# Allegro board FMDEMOD-Long.brd (continued)
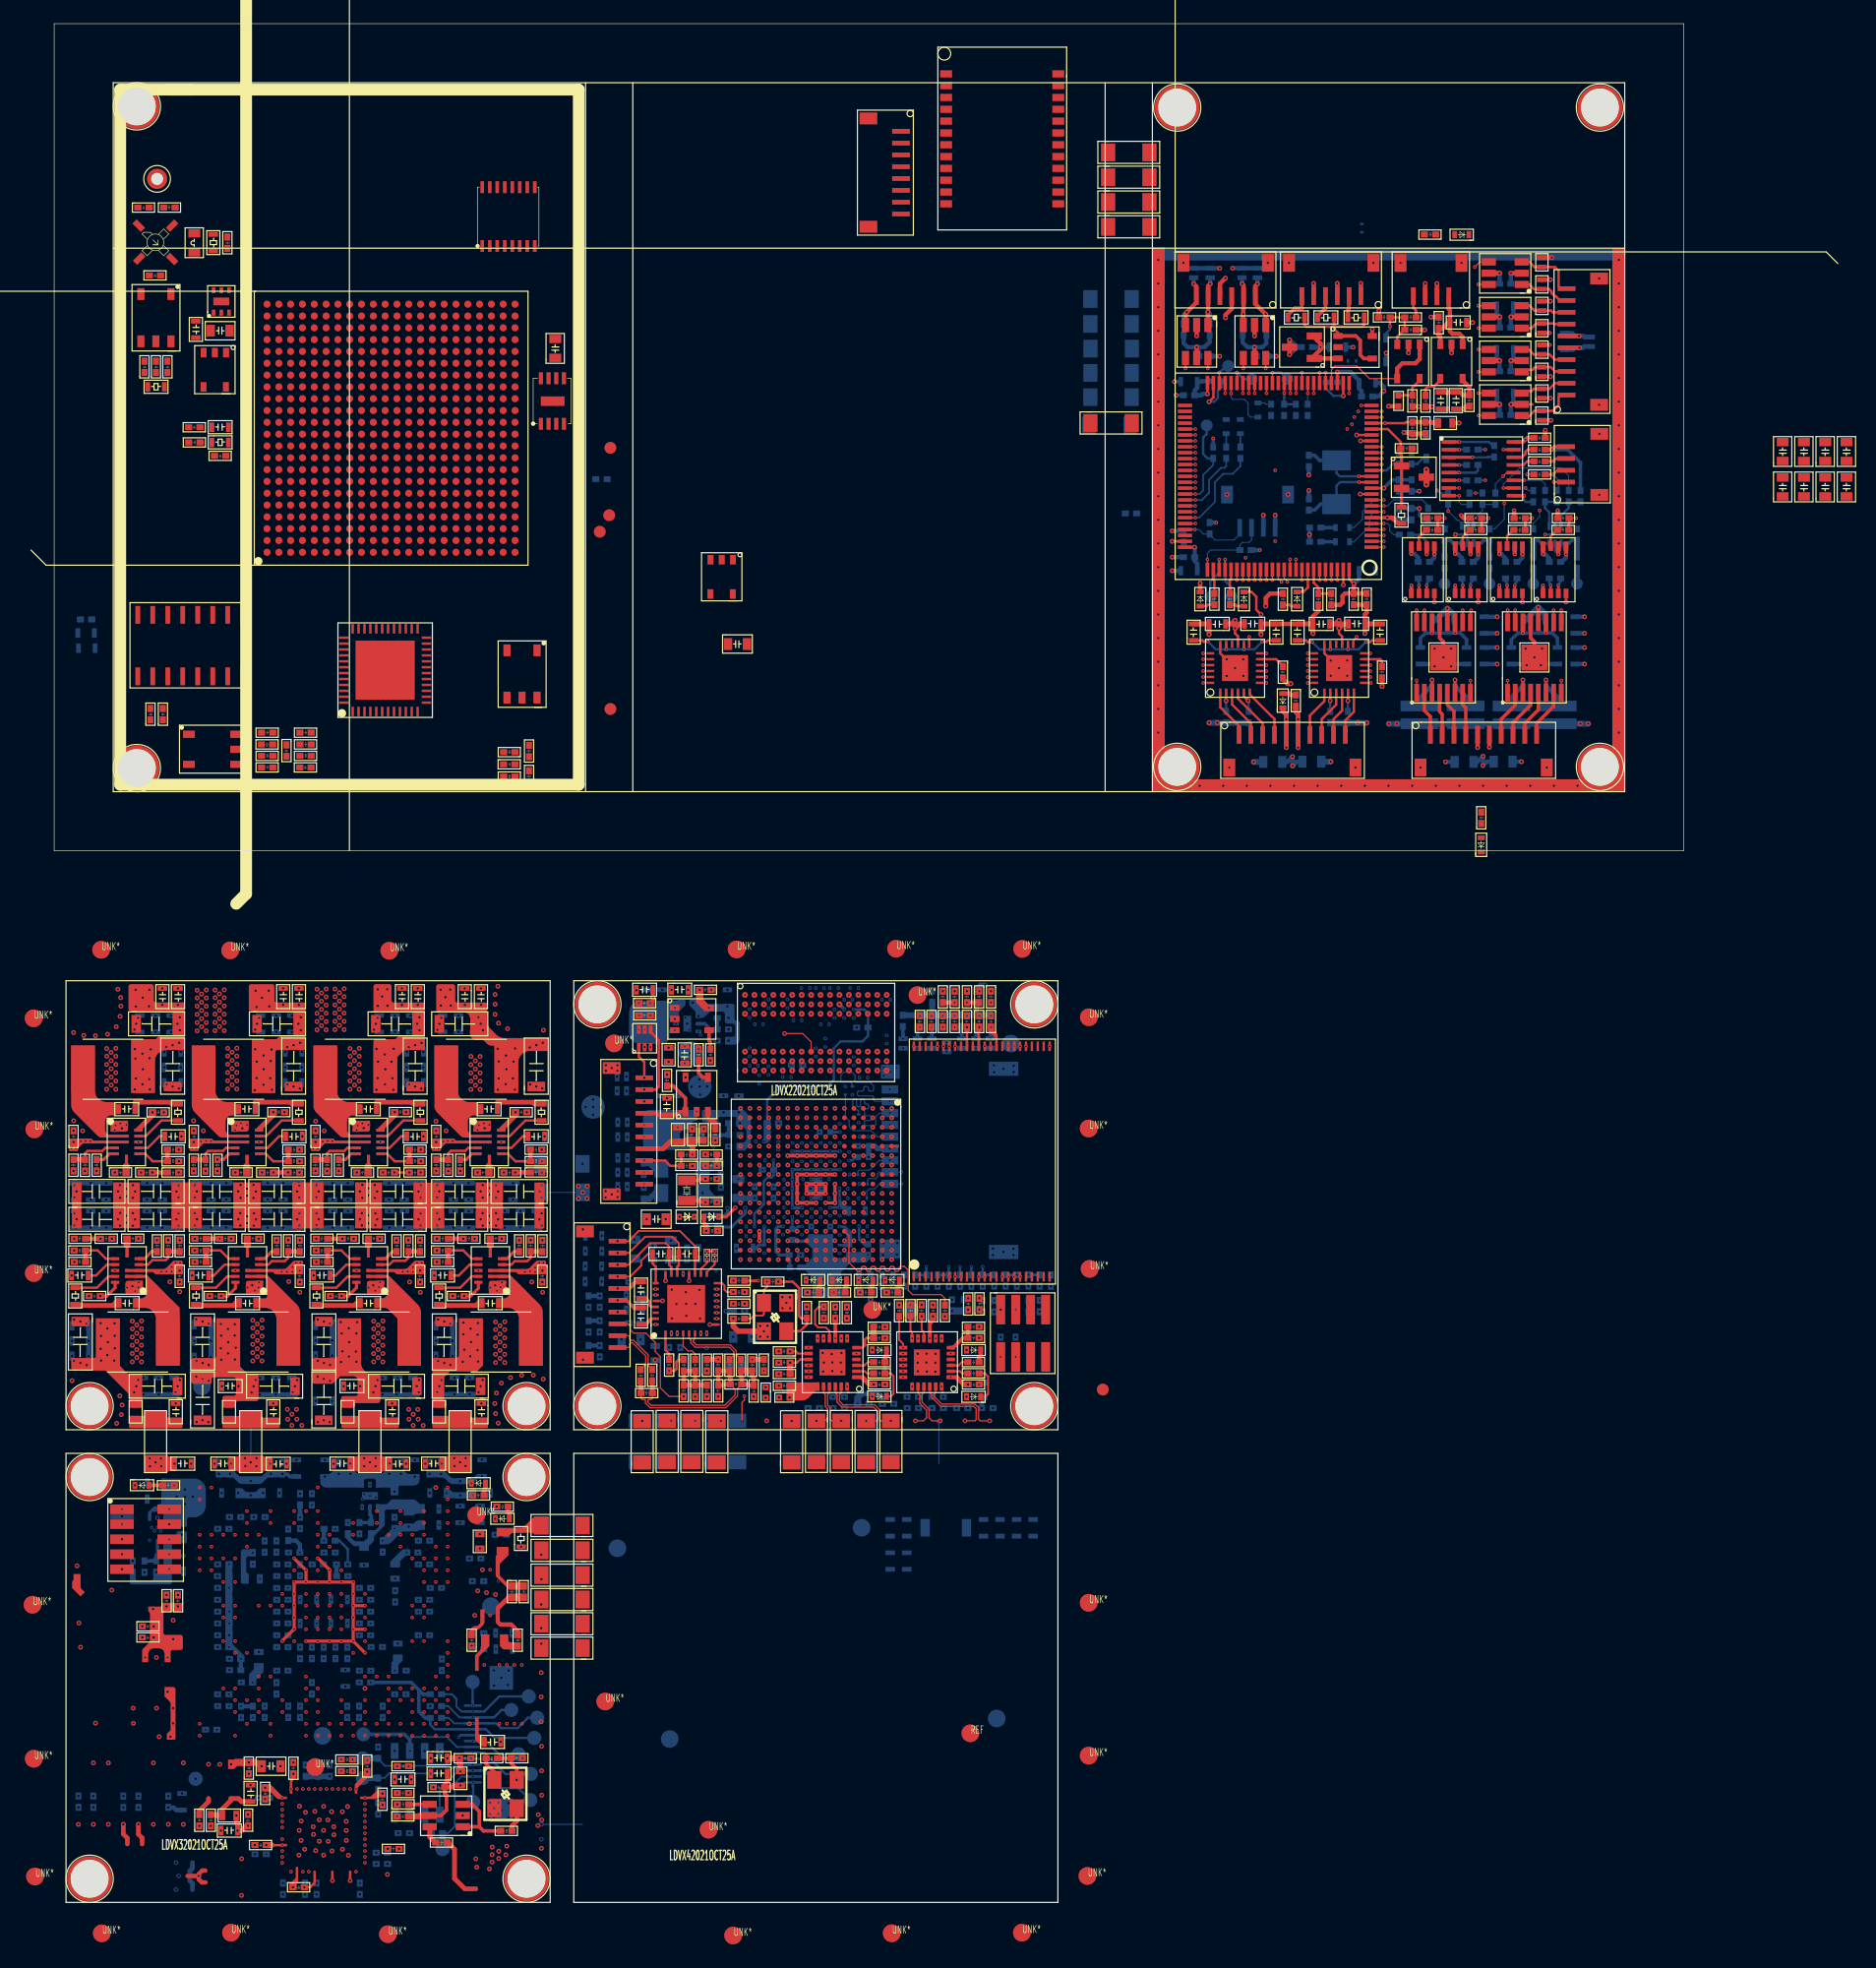
[diagram p0: board, top side]
## Placement (name value [footprint] x y rotation side) (continued)
NOREF#1649  -  []  69.09 -15.35 0 top
NOREF#1650  -  []  59.17 -16.47 90 top
NOREF#1651  -  []  65.8 -28.49 90 top
NOREF#1652  -  []  110.95 51.74 0 top
NOREF#1653  -  []  100.62 11.33 0 top
NOREF#1654  -  []  30.61 -21.33 0 top
NOREF#1655  -  []  19.48 -19.23 0 top
NOREF#1656  -  []  106.18 15.13 90 top
NOREF#1657  -  []  10.74 -27.45 0 top
NOREF#1658  -  []  55.6 -15.79 90 top
NOREF#1659  -  []  40.02 -24.58 90 top
NOREF#1660  -  []  68.47 -40.67 90 top
NOREF#1661  -  []  107.28 12.73 90 top
NOREF#1662  -  []  57.3 -29.59 90 top
NOREF#1663  -  []  115.26 19.98 0 top
NOREF#1664  -  []  1.39 -31.99 90 top
NOREF#1665  -  []  21.23 -27.61 90 top
NOREF#1666  -  []  124.85 32.56 0 top
NOREF#1667  -  []  116.93 21.88 90 top
NOREF#1668  -  []  82.28 -43.22 90 top
NOREF#1669  -  []  12.41 -38.48 90 top
NOREF#1670  -  []  130.98 42.58 90 top
NOREF#1671  -  []  113.46 29.97 0 top
NOREF#1672  -  []  18.25 42.31 90 top
NOREF#1673  -  []  35.44 -35.97 90 top
NOREF#1674  -  []  70.4 -60.1 0 top
NOREF#1675  -  []  53.75 -47.3 0 top
NOREF#1676  -  []  9.9 -33.42 0 top
NOREF#1677  -  []  58.07 -48.26 0 top
NOREF#1678  -  []  54.66 -45.12 90 top
NOREF#1679  -  []  30.95 -56.3 90 top
NOREF#1680  -  []  52.55 -14.24 90 top
NOREF#1681  -  []  13.07 53.08 0 top
NOREF#1682  -  []  0 -90 0 top
NOREF#1683  -  []  32.43 -66.35 0 top
NOREF#1684  -  []  102.07 14.21 90 top
NOREF#1685  -  []  78.58 -12.34 0 top
NOREF#1686  -  []  65.82 -13.75 0 top
NOREF#1687  -  []  17.64 -59.82 90 top
NOREF#1688  -  []  6.62 54.05 0 top
NOREF#1689  -  []  47.57 -18.81 0 top
NOREF#1690  -  []  40.6 -68.39 90 top
NOREF#1691  -  []  53.11 -44.48 90 top
NOREF#1692  -  []  54.7 -30.12 90 top
NOREF#1693  -  []  22.98 -60.78 0 top
NOREF#1694  -  []  77.36 -47.56 90 top
NOREF#1695  -  []  30.12 -51.45 90 top
NOREF#1696  -  []  11.58 -35.53 0 top
NOREF#1697  -  []  5.1 18.03 90 top
NOREF#1698  -  []  10.94 39.38 90 top
NOREF#1699  -  []  49.75 -34.71 90 top
NOREF#1700  -  []  49.98 -31.81 0 top
NOREF#1701  -  []  152.4 28.54 90 top
NOREF#1702  -  []  30.2 -81.87 0 top
NOREF#1703  -  []  56.71 -17.24 90 top
NOREF#1704  -  []  27.05 -83.58 0 top
NOREF#1705  -  []  56.6 -40.33 0 top
NOREF#1706  -  []  14.3 -71.92 90 top
NOREF#1707  -  []  109.47 43.03 0 top
NOREF#1708  -  []  22.61 -38.48 90 top
NOREF#1709  -  []  55.33 -13.27 0 top
NOREF#1710  -  []  69.02 -25.66 0 top
NOREF#1711  -  []  63.06 -30.5 0 top
NOREF#1712  -  []  68.02 -25.72 0 top
NOREF#1713  -  []  110.4 40.81 0 top
NOREF#1714  -  []  35.82 -49.85 0 top
NOREF#1715  -  []  66.72 -26.04 0 top
NOREF#1716  -  []  27.98 -67.78 0 top
NOREF#1717  -  []  105.5 6.91 90 top
NOREF#1718  -  []  24.7 -49.71 0 top
NOREF#1719  -  []  66.72 -24.42 0 top
NOREF#1720  -  []  122.31 17.3 90 top
NOREF#1721  -  []  62.23 -43.51 90 top
NOREF#1722  -  []  5 5 90 top
NOREF#1723  -  []  127.9 18.16 0 top
NOREF#1724  -  []  20.32 -21.33 0 top
NOREF#1725  -  []  11.04 -60.57 0 top
NOREF#1726  -  []  117.39 43.97 90 top
NOREF#1727  -  []  34.48 -26.6 90 top
NOREF#1728  -  []  36.13 -38.69 0 top
NOREF#1729  -  []  1.4 -28.03 0 top
NOREF#1730  -  []  75.48 -47.56 0 top
NOREF#1731  -  []  61.78 -33.82 0 top
NOREF#1732  -  []  21.87 -35.53 0 top
NOREF#1733  -  []  8.99 -15.44 90 top
NOREF#1734  -  []  8.27 -31.2 0 top
NOREF#1735  -  []  13.38 -58.56 0 top
NOREF#1736  -  []  78.84 -37.96 90 top
NOREF#1737  -  []  7.82 39.67 0 top
NOREF#1738  -  []  5.73 -26.6 90 top
NOREF#1739  -  []  67.39 -30.09 90 top
NOREF#1740  -  []  22.52 -51.45 90 top
NOREF#1741  -  []  104.9 32.97 0 top
NOREF#1742  -  []  28.03 -85.27 90 top
NOREF#1743  -  []  15.22 -80.54 90 top
NOREF#1744  -  []  8.03 9.02 0 top
NOREF#1745  -  []  11.65 -63.45 90 top
NOREF#1746  -  []  40.72 -35.03 90 top
NOREF#1747  -  []  115.05 21.88 0 top
NOREF#1748  -  []  54.76 -32.55 0 top
NOREF#1749  -  []  8.23 -33.36 90 top
NOREF#1750  -  []  32.6 -26.6 0 top
NOREF#1751  -  []  34.78 -46.1 0 top
NOREF#1752  -  []  75.75 -47.39 90 top
NOREF#1753  -  []  59.21 -18.46 90 top
NOREF#1754  -  []  75.51 -12.34 0 top
NOREF#1755  -  []  9.91 -82.06 0 top
NOREF#1756  -  []  21.13 -13.15 90 top
NOREF#1757  -  []  21.07 -16.62 0 top
NOREF#1758  -  []  10.09 -51.47 0 top
NOREF#1759  -  []  19.72 -14.63 0 top
NOREF#1760  -  []  105.18 43.94 90 top
NOREF#1761  -  []  31.36 -16.62 0 top
NOREF#1762  -  []  121.94 37.27 90 top
NOREF#1763  -  []  102.5 11.33 90 top
NOREF#1764  -  []  17.04 -34 90 top
NOREF#1765  -  []  69.38 -40.05 0 top
NOREF#1766  -  []  120.2 23.59 90 top
NOREF#1767  -  []  52.43 -18.06 90 top
NOREF#1768  -  []  40.41 -31.99 90 top
NOREF#1769  -  []  27.53 -63.89 90 top
NOREF#1770  -  []  77.76 -16.8 0 top
NOREF#1771  -  []  118.44 30.46 90 top
NOREF#1772  -  []  115.98 27.69 90 top
NOREF#1773  -  []  3.56 17.55 0 top
NOREF#1774  -  []  147 31.54 0 top
NOREF#1775  -  []  61.46 -32.11 0 top
NOREF#1776  -  []  110.4 23.29 0 top
NOREF#1777  -  []  70.77 -21.2 90 top
NOREF#1778  -  []  32.97 -20.04 90 top
NOREF#1779  -  []  38.23 -64.28 0 top
NOREF#1780  -  []  115.18 27.57 0 top
NOREF#1781  -  []  50.9 -44.36 0 top
NOREF#1782  -  []  11.41 9.86 0 top
NOREF#1783  -  []  20.26 -70.56 90 top
NOREF#1784  -  []  66.81 -14.92 90 top
NOREF#1785  -  []  70.81 -41.62 90 top
NOREF#1786  -  []  111.16 30.1 90 top
NOREF#1787  -  []  22.7 -31.23 90 top
NOREF#1788  -  []  63.52 -27.59 0 top
NOREF#1789  -  []  6.56 -27.61 90 top
NOREF#1790  -  []  32.77 -13.83 0 top
NOREF#1791  -  []  27.12 -13.84 0 top
NOREF#1792  -  []  7 -32.01 0 top
NOREF#1793  -  []  44.95 -42.9 90 top
NOREF#1794  -  []  21.73 -65.8 0 top
NOREF#1795  -  []  15.15 45.51 0 top
NOREF#1796  -  []  9.23 -19.23 0 top
NOREF#1797  -  []  8.44 -42.92 0 top
NOREF#1798  -  []  55.68 -15.33 0 top
NOREF#1799  -  []  9.28 -24.58 0 top
NOREF#1800  -  []  12.22 -54.87 90 top
NOREF#1801  -  []  31.35 -29.63 90 top
NOREF#1802  -  []  28.68 -44.52 90 top
NOREF#1803  -  []  77.55 -12.34 0 top
NOREF#1804  -  []  85.8 -3.7 0 top
NOREF#1805  -  []  124.68 49.03 0 top
NOREF#1806  -  []  59.32 -45.69 90 top
NOREF#1807  -  []  48.35 -39.27 90 top
NOREF#1808  -  []  104.89 17.7 90 top
NOREF#1809  -  []  112.68 32.27 0 top
NOREF#1810  -  []  33.78 -46.68 90 top
NOREF#1811  -  []  119.82 35.39 0 top
NOREF#1812  -  []  113.26 42.65 0 top
NOREF#1813  -  []  9.57 -31.23 90 top
NOREF#1814  -  []  56.13 -34.19 0 top
NOREF#1815  -  []  48.5 -34.71 90 top
NOREF#1816  -  []  147 28.54 0 top
NOREF#1817  -  []  14.61 -83.62 90 top
NOREF#1818  -  []  31.2 -13.15 90 top
NOREF#1819  -  []  84.8 -38.51 90 top
NOREF#1820  -  []  11.49 -46.68 90 top
NOREF#1821  -  []  112.68 32.27 90 top
NOREF#1822  -  []  23.85 -77.3 0 top
NOREF#1823  -  []  119.29 35.3 0 top
NOREF#1824  -  []  60.16 -18.01 90 top
NOREF#1825  -  []  126.86 32.55 0 top
NOREF#1826  -  []  30.39 -13.15 0 top
NOREF#1827  -  []  45.41 31.06 0 top
NOREF#1828  -  []  78.88 -37.96 0 top
NOREF#1829  -  []  38.35 12.96 0 top
NOREF#1830  -  []  63.52 -26.04 0 top
NOREF#1831  -  []  25.39 -68.21 0 top
NOREF#1832  -  []  61.3 -24.82 90 top
NOREF#1833  -  []  18.98 -32 0 top
NOREF#1834  -  []  64.35 -24.55 0 top
NOREF#1835  -  []  29.79 -17.04 0 top
NOREF#1836  -  []  17.26 -70.77 90 top
NOREF#1837  -  []  54.62 -24.96 90 top
NOREF#1838  -  []  10.06 -31.23 0 top
NOREF#1839  -  []  67.07 -28.99 90 top
NOREF#1840  -  []  114.41 22.32 90 top
NOREF#1841  -  []  52.99 -16.47 0 top
NOREF#1842  -  []  55.84 -46.65 0 top
NOREF#1843  -  []  78.94 -15.39 0 top
NOREF#1844  -  []  21.95 -33.42 90 top
NOREF#1845  -  []  49.77 -13.27 90 top
NOREF#1846  -  []  77.39 -12.34 90 top
NOREF#1847  -  []  26.81 -85.19 90 top
NOREF#1848  -  []  76.91 -43.66 0 top
NOREF#1849  -  []  95.17 38.16 0 top
NOREF#1850  -  []  61.97 -17.77 0 top
NOREF#1851  -  []  119.2 27.51 0 top
NOREF#1852  -  []  58.93 -37.73 90 top
NOREF#1853  -  []  20.57 5.88 90 top
NOREF#1854  -  []  65.56 -37.77 0 top
NOREF#1855  -  []  40.81 -35.03 0 top
NOREF#1856  -  []  66.18 -27.59 90 top
NOREF#1857  -  []  73.4 -58.1 90 top
NOREF#1858  -  []  54.7 -27.06 90 top
NOREF#1859  -  []  48.63 -24.53 90 top
NOREF#1860  -  []  8.18 -13.84 0 top
NOREF#1861  -  []  52.63 -26.1 0 top
NOREF#1862  -  []  33.35 -65.82 0 top
NOREF#1863  -  []  52.78 -45.12 0 top
NOREF#1864  -  []  121.5 21.5 0 top
NOREF#1865  -  []  81.56 -47.56 90 top
NOREF#1866  -  []  54.2 -43.51 90 top
NOREF#1867  -  []  58.12 -24 90 top
NOREF#1868  -  []  37.59 6.93 0 top
NOREF#1869  -  []  56.59 -13.27 90 top
NOREF#1870  -  []  58.08 27.98 0 top
NOREF#1871  -  []  20.97 -27.45 0 top
NOREF#1872  -  []  36.03 -21.46 0 top
NOREF#1873  -  []  27.26 -71.56 90 top
NOREF#1874  -  []  23.07 -69.46 0 top
NOREF#1875  -  []  126.16 18.36 90 top
NOREF#1876  -  []  20.27 -32 90 top
NOREF#1877  -  []  15.43 -31.98 90 top
NOREF#1878  -  []  78.23 -46.42 0 top
NOREF#1879  -  []  105.14 41.45 0 top
NOREF#1880  -  []  121.02 38.77 90 top
NOREF#1881  -  []  53.22 -24.82 90 top
NOREF#1882  -  []  98.49 18 90 top
NOREF#1883  -  []  62.09 -31.23 90 top
NOREF#1884  -  []  108.57 47.27 0 top
NOREF#1885  -  []  41.08 7.18 90 top
NOREF#1886  -  []  11.29 -25.76 0 top
NOREF#1887  -  []  63.68 -29.63 90 top
NOREF#1888  -  []  69.5 -24 90 top
NOREF#1889  -  []  18.41 -84.53 90 top
NOREF#1890  -  []  76.3 -14.38 0 top
NOREF#1891  -  []  52.79 -33.72 0 top
NOREF#1892  -  []  114.49 14.1 0 top
NOREF#1893  -  []  28.86 -63.78 90 top
NOREF#1894  -  []  19.51 -24.58 90 top
NOREF#1895  -  []  56.59 -13.27 0 top
NOREF#1896  -  []  72.81 -16.81 0 top
NOREF#1897  -  []  65.21 -37.77 90 top
NOREF#1898  -  []  71.77 -45.83 0 top
NOREF#1899  -  []  105.1 33.7 90 top
NOREF#1900  -  []  17.86 -56.78 90 top
NOREF#1901  -  []  64.58 -27.59 90 top
NOREF#1902  -  []  11.59 46.52 0 top
NOREF#1903  -  []  24.25 -26.6 90 top
NOREF#1904  -  []  37.15 -28.03 0 top
NOREF#1905  -  []  59.72 -29.84 90 top
NOREF#1906  -  []  111.89 19.3 0 top
NOREF#1907  -  []  17.83 -79.21 90 top
NOREF#1908  -  []  19.29 -72.85 0 top
NOREF#1909  -  []  8.03 9.02 90 top
NOREF#1910  -  []  29.75 -19.8 90 top
NOREF#1911  -  []  126.28 35.73 0 top
NOREF#1912  -  []  30.54 -28.8 0 top
NOREF#1913  -  []  116.73 27.62 90 top
NOREF#1914  -  []  27.42 -34 90 top
NOREF#1915  -  []  12.3 53.27 90 top
NOREF#1916  -  []  63.68 -30.43 90 top
NOREF#1917  -  []  3.02 -40.61 90 top
NOREF#1918  -  []  13.32 -34.22 90 top
NOREF#1919  -  []  71.02 -6.38 0 top
NOREF#1920  -  []  34.28 -56.1 90 top
NOREF#1921  -  []  11.79 -66.78 90 top
NOREF#1922  -  []  34.22 -29.62 90 top
NOREF#1923  -  []  104.44 18.75 90 top
NOREF#1924  -  []  103.2 49.4 90 top
NOREF#1925  -  []  69.5 -18.99 90 top
NOREF#1926  -  []  29.62 -27.61 0 top
NOREF#1927  -  []  66.75 -11.8 0 top
NOREF#1928  -  []  40.02 -19.8 90 top
NOREF#1929  -  []  7.59 48.3 0 top
NOREF#1930  -  []  22.17 -54.87 90 top
NOREF#1931  -  []  3.36 19.19 0 top
NOREF#1932  -  []  71.8 -60.1 0 top
NOREF#1933  -  []  54.7 -28.16 90 top
NOREF#1934  -  []  10.24 -36.96 90 top
NOREF#1935  -  []  40.46 6.31 0 top
NOREF#1936  -  []  5.16 16.74 90 top
NOREF#1937  -  []  29.38 -59.78 90 top
NOREF#1938  -  []  63.78 -27.59 90 top
NOREF#1939  -  []  77.01 -37.42 0 top
NOREF#1940  -  []  62.62 -29.63 0 top
NOREF#1941  -  []  59.17 -15.5 90 top
NOREF#1942  -  []  97.8 49.4 90 top
NOREF#1943  -  []  95.85 38.58 90 top
NOREF#1944  -  []  95.3 39.3 90 top
NOREF#1945  -  []  67.21 -12.86 90 top
NOREF#1946  -  []  101.38 32.11 90 top
NOREF#1947  -  []  66.29 -32.19 0 top
NOREF#1948  -  []  11.6 -38.48 0 top
NOREF#1949  -  []  29.86 -67.78 90 top
NOREF#1950  -  []  99.16 20.36 0 top
NOREF#1951  -  []  40.11 -64.28 90 top
NOREF#1952  -  []  55.03 -31.4 90 top
NOREF#1953  -  []  14.41 -62.02 90 top
NOREF#1954  -  []  45.64 -39.09 90 top
NOREF#1955  -  []  18.18 -52.29 0 top
NOREF#1956  -  []  40.02 -19.8 90 top
NOREF#1957  -  []  35.47 -77.97 0 top
NOREF#1958  -  []  54.51 -26.1 90 top
NOREF#1959  -  []  1.24 -23.24 0 top
NOREF#1960  -  []  14.52 -67.99 0 top
NOREF#1961  -  []  123.3 9.5 0 top
NOREF#1962  -  []  22.95 -69.46 90 top
NOREF#1963  -  []  65.07 -17.78 90 top
NOREF#1964  -  []  19.71 -42.92 0 top
NOREF#1965  -  []  25.22 -35.97 90 top
NOREF#1966  -  []  35.17 -38.07 90 top
NOREF#1967  -  []  26.81 -85.19 0 top
NOREF#1968  -  []  118.56 26.35 0 top
NOREF#1969  -  []  8.76 -31.23 0 top
NOREF#1970  -  []  76.91 -41.62 0 top
NOREF#1971  -  []  14.94 -84.54 0 top
NOREF#1972  -  []  68.32 -23.62 0 top
NOREF#1973  -  []  8.1 -46.68 90 top
NOREF#1974  -  []  71.26 -37.96 90 top
NOREF#1975  -  []  31.65 -79.64 0 top
NOREF#1976  -  []  34.72 -28.21 90 top
NOREF#1977  -  []  123.3 9.5 90 top
NOREF#1978  -  []  82.75 -40.12 0 top
NOREF#1979  -  []  25.74 -31.98 90 top
NOREF#1980  -  []  62.72 -27.59 0 top
NOREF#1981  -  []  30.34 -35.03 90 top
NOREF#1982  -  []  23.65 -43.19 90 top
NOREF#1983  -  []  103.62 37.33 0 top
NOREF#1984  -  []  9.13 -25.68 0 top
NOREF#1985  -  []  6.89 -27.61 0 top
NOREF#1986  -  []  29.27 -27.61 90 top
NOREF#1987  -  []  21.09 -29.63 90 top
NOREF#1988  -  []  12.88 -31.99 0 top
NOREF#1989  -  []  29.86 -13.15 90 top
NOREF#1990  -  []  108.87 39.26 0 top
NOREF#1991  -  []  16 -46.68 90 top
NOREF#1992  -  []  127.83 29.5 0 top
NOREF#1993  -  []  61.18 24.78 90 top
NOREF#1994  -  []  14.67 52.27 90 top
NOREF#1995  -  []  57.22 -22.66 90 top
NOREF#1996  -  []  12.07 -39.03 90 top
NOREF#1997  -  []  37.38 -46.68 90 top
NOREF#1998  -  []  67.58 -34.25 90 top
NOREF#1999  -  []  16.65 -59.82 0 top
NOREF#2000  -  []  20.29 -54.87 0 top
NOREF#2001  -  []  20.44 -43.14 90 top
NOREF#2002  -  []  12.03 -81.28 90 top
NOREF#2003  -  []  64.12 -30.7 0 top
NOREF#2004  -  []  7 -66.03 0 top
NOREF#2005  -  []  28.47 -61.8 90 top
NOREF#2006  -  []  16.26 -69.56 90 top
NOREF#2007  -  []  11.75 -48.05 90 top
NOREF#2008  -  []  17.04 -46.12 0 top
NOREF#2009  -  []  56.15 -44.79 0 top
NOREF#2010  -  []  52.29 -20.63 90 top
NOREF#2011  -  []  13.37 -41.89 90 top
NOREF#2012  -  []  28.41 -86.13 0 top
NOREF#2013  -  []  114.81 21.2 90 top
NOREF#2014  -  []  99.16 20.36 90 top
NOREF#2015  -  []  11.76 -83.62 0 top
NOREF#2016  -  []  29.38 -59.78 0 top
NOREF#2017  -  []  122.2 1.21 90 top
NOREF#2018  -  []  25.48 -51.59 90 top
NOREF#2019  -  []  124.68 50.3 90 top
NOREF#2020  -  []  52.32 -43.51 0 top
NOREF#2021  -  []  7.99 -82.06 90 top
NOREF#2022  -  []  22.37 -59.55 0 top
NOREF#2023  -  []  72.41 -41.62 90 top
NOREF#2024  -  []  104.14 50.4 90 top
NOREF#2025  -  []  21.83 -90.38 0 top
NOREF#2026  -  []  66.98 -32.37 0 top
NOREF#2027  -  []  4.37 -38.07 90 top
NOREF#2028  -  []  62.62 -28.06 0 top
NOREF#2029  -  []  125.51 22.32 90 top
NOREF#2030  -  []  100.12 44.13 0 top
NOREF#2031  -  []  14.4 -45.88 0 top
NOREF#2032  -  []  23.95 -69.46 90 top
NOREF#2033  -  []  22.95 -78.79 0 top
NOREF#2034  -  []  16.77 -27.61 90 top
NOREF#2035  -  []  33.11 -27.45 90 top
NOREF#2036  -  []  9.88 43.12 90 top
NOREF#2037  -  []  25.86 -59.78 90 top
NOREF#2038  -  []  50.17 -30.56 0 top
NOREF#2039  -  []  124.33 21.88 90 top
NOREF#2040  -  []  25.82 -38.69 0 top
NOREF#2041  -  []  9.13 -27.61 0 top
NOREF#2042  -  []  17.05 -52.34 0 top
NOREF#2043  -  []  148.8 31.54 90 top
NOREF#2044  -  []  51.01 -45.97 90 top
NOREF#2045  -  []  65.28 -29.63 90 top
NOREF#2046  -  []  54.76 -30.5 0 top
NOREF#2047  -  []  45.66 -42.33 0 top
NOREF#2048  -  []  116.52 37.12 90 top
NOREF#2049  -  []  18.98 -28.02 90 top
NOREF#2050  -  []  68.93 -43.66 90 top
NOREF#2051  -  []  95.17 24.46 0 top
NOREF#2052  -  []  32.12 -56.26 0 top
NOREF#2053  -  []  10.24 -36.96 0 top
NOREF#2054  -  []  128.07 38.57 90 top
NOREF#2055  -  []  67.55 -25.38 90 top
NOREF#2056  -  []  121.94 41.75 0 top
NOREF#2057  -  []  32.97 -18.73 90 top
NOREF#2058  -  []  10.29 -15.43 90 top
NOREF#2059  -  []  64.12 -32.11 90 top
NOREF#2060  -  []  33.86 -60.78 90 top
NOREF#2061  -  []  25.39 -68.99 90 top
NOREF#2062  -  []  7.89 -62.16 0 top
NOREF#2063  -  []  33.41 -28.02 0 top
NOREF#2064  -  []  25.13 -58.91 0 top
NOREF#2065  -  []  148.8 31.54 0 top
NOREF#2066  -  []  102.2 50 0 top
NOREF#2067  -  []  29.97 -44.52 90 top
NOREF#2068  -  []  78.79 -40.68 90 top
NOREF#2069  -  []  70.97 -15.35 90 top
NOREF#2070  -  []  66.59 -40.67 0 top
NOREF#2071  -  []  23.17 -54.87 90 top
NOREF#2072  -  []  21.89 -30.4 90 top
NOREF#2073  -  []  68.93 -45.56 0 top
NOREF#2074  -  []  124.56 25.91 90 top
NOREF#2075  -  []  79.86 -40.12 0 top
NOREF#2076  -  []  119.82 34.61 90 top
NOREF#2077  -  []  3.41 -80.46 90 top
NOREF#2078  -  []  28.6 -77.86 0 top
NOREF#2079  -  []  109.5 19.61 0 top
NOREF#2080  -  []  15.73 -79.8 0 top
NOREF#2081  -  []  22.15 -35.03 90 top
NOREF#2082  -  []  20.32 -22.93 90 top
NOREF#2083  -  []  36.54 -13.15 90 top
NOREF#2084  -  []  111.07 42.22 90 top
NOREF#2085  -  []  116.4 23.59 90 top
NOREF#2086  -  []  70.81 -43.66 90 top
NOREF#2087  -  []  12.73 -83.62 0 top
NOREF#2088  -  []  53.56 -45.69 0 top
NOREF#2089  -  []  70.53 -41.62 0 top
NOREF#2090  -  []  99.5 32.11 0 top
NOREF#2091  -  []  10.34 -54.87 0 top
NOREF#2092  -  []  118.11 22.32 0 top
NOREF#2093  -  []  125.51 22.32 0 top
NOREF#2094  -  []  78.3 -57.29 0 top
NOREF#2095  -  []  72 -60.91 90 top
NOREF#2096  -  []  66.75 -32.69 90 top
NOREF#2097  -  []  120.2 36.6 90 top
NOREF#2098  -  []  27.39 -27.61 0 top
NOREF#2099  -  []  32.02 -55.8 90 top
NOREF#2100  -  []  28.86 -62.78 90 top
NOREF#2101  -  []  50.5 -41.71 0 top
NOREF#2102  -  []  23.95 -72.47 90 top
NOREF#2103  -  []  74.03 -37.98 0 top
NOREF#2104  -  []  49.13 -45.97 0 top
NOREF#2105  -  []  58.48 -44.87 0 top
NOREF#2106  -  []  29.97 -42.92 0 top
NOREF#2107  -  []  120.2 24.37 0 top
NOREF#2108  -  []  110.75 39.26 90 top
NOREF#2109  -  []  126.28 37.6 0 top
NOREF#2110  -  []  27.99 -49.71 0 top
NOREF#2111  -  []  17.29 -72.85 0 top
NOREF#2112  -  []  8.44 -44.52 90 top
NOREF#2113  -  []  147 28.54 90 top
NOREF#2114  -  []  11.78 -43.19 90 top
NOREF#2115  -  []  22.52 -49.85 0 top
NOREF#2116  -  []  17.23 -32.01 0 top
NOREF#2117  -  []  25.82 -38.69 90 top
NOREF#2118  -  []  107.02 41.45 90 top
NOREF#2119  -  []  103.66 31.69 90 top
NOREF#2120  -  []  62.25 -35.01 0 top
NOREF#2121  -  []  15.57 -38.69 90 top
NOREF#2122  -  []  55.33 -13.27 90 top
NOREF#2123  -  []  39.84 -77.97 0 top
NOREF#2124  -  []  51.98 -31.81 90 top
NOREF#2125  -  []  11.98 -35.03 90 top
NOREF#2126  -  []  97.32 44.13 0 top
NOREF#2127  -  []  22.92 -38.07 0 top
NOREF#2128  -  []  70.81 -40.68 90 top
NOREF#2129  -  []  18.69 6.86 0 top
NOREF#2130  -  []  18.68 -15.44 90 top
NOREF#2131  -  []  124.68 47.21 0 top
NOREF#2132  -  []  2.78 -80.46 0 top
NOREF#2133  -  []  60.93 -33.68 90 top
R1  47K  [R0402]  75.01 -11.88 270 top
R2  DNP  [R0402]  76.01 -11.88 270 top
R3  47K  [R0402]  77.05 -11.88 270 top
R4  DNP  [R0402]  78.08 -11.88 270 top
R5  47K  [R0402]  79.08 -11.88 270 top
R6  47K  [R0402]  73.06 -13.96 270 top
R7  47K  [R0402]  74.04 -13.96 270 top
R8  47K  [R0402]  75.01 -13.96 270 top
R9  47K  [R0402]  76.01 -13.96 270 top
R10  10K  [R0402]  54.33 -16.77 270 top
R11  DNP  [R0402]  51.64 -18.94 270 top
R12  0  [R0603]  10.89 -22.93 90 top
R13  0  [R0603]  21.13 -22.93 90 top
R14  0  [R0603]  31.42 -22.93 90 top
R15  0  [R0603]  41.68 -22.93 90 top
R16  6.8K  [R0402]  55.74 -23.53 270 top
R17  294K  [R0402]  9.58 -25.54 0 top
R18  182K  [R0402]  19.81 -25.54 0 top
R19  51.1K  [R0402]  30.07 -25.54 0 top
R20  51.1K  [R0402]  40.32 -25.54 0 top
R21  10K  [R0402]  56.13 -25.45 180 top
R22  10K  [R0402]  53.08 -25.96 0 top
R23  40.2K  [R0402]  10.57 -26.03 180 top
R24  40.2K  [R0402]  20.8 -26.03 180 top
R25  40.2K  [R0402]  31.06 -26.03 180 top
R26  40.2K  [R0402]  41.31 -26.03 180 top
R27  DNP  [R0402]  1.38 -26.13 270 top
R28  787K  [R0402]  2.86 -27.12 90 top
R29  100K  [R0402]  3.35 -26.13 270 top
R30  DNP  [R0402]  11.57 -26.13 270 top
R31  499K  [R0402]  13.07 -27.12 90 top
R32  100K  [R0402]  13.58 -26.13 270 top
R33  DNP  [R0402]  21.88 -26.13 270 top
R34  180K  [R0402]  23.36 -27.12 90 top
R35  100K  [R0402]  23.86 -26.13 270 top
R36  DNP  [R0402]  32.1 -26.13 270 top
R37  180K  [R0402]  33.62 -27.12 90 top
R38  100K  [R0402]  34.13 -26.13 270 top
R39  100K  [R0402]  54.06 -26.42 180 top
R40  DNP  [R0402]  7.34 -27.47 0 top
R41  100K  [R0402]  9.58 -27.47 0 top
R42  DNP  [R0402]  17.59 -27.47 0 top
R43  100K  [R0402]  19.8 -27.47 0 top
R44  DNP  [R0402]  27.84 -27.47 0 top
R45  DNP  [R0402]  30.07 -27.47 0 top
R46  DNP  [R0402]  38.07 -27.47 0 top
R47  DNP  [R0402]  40.32 -27.47 0 top
R48  1.5K  [R0402]  55.21 -32.41 0 top
R49  100K  [R0402]  2.67 -32.58 180 top
R50  DNP  [R0402]  4.9 -32.58 180 top
R51  100K  [R0402]  12.88 -32.58 180 top
R52  DNP  [R0402]  14.99 -32.58 180 top
R53  100K  [R0402]  23.17 -32.58 180 top
R54  DNP  [R0402]  25.37 -32.58 180 top
R55  100K  [R0402]  33.39 -32.58 180 top
R56  DNP  [R0402]  35.61 -32.58 180 top
R57  100K  [R0402]  8.95 -33.94 90 top
R58  787K  [R0402]  9.4 -32.94 270 top
R59  DNP  [R0402]  10.88 -33.94 90 top
R60  100K  [R0402]  19.09 -33.94 90 top
R61  499K  [R0402]  19.57 -32.94 270 top
R62  DNP  [R0402]  21.05 -33.94 90 top
R63  100K  [R0402]  29.25 -33.94 90 top
R64  180K  [R0402]  29.74 -32.94 270 top
R65  DNP  [R0402]  31.24 -33.94 90 top
R66  100K  [R0402]  39.62 -33.94 90 top
R67  180K  [R0402]  40.1 -32.94 270 top
R68  DNP  [R0402]  41.59 -33.94 90 top
R69  40.2K  [R0402]  1.68 -34.08 0 top
R70  40.2K  [R0402]  11.89 -34.08 0 top
R71  40.2K  [R0402]  22.18 -34.08 0 top
R72  40.2K  [R0402]  32.4 -34.08 0 top
R73  4.7K  [R0201]  55.13 -33.93 270 top
R74  4.7K  [R0201]  55.78 -33.93 270 top
R75  294K  [R0402]  2.67 -34.55 180 top
R76  182K  [R0402]  12.88 -34.55 180 top
R77  127K  [R0402]  23.17 -34.55 180 top
R78  40.2K  [R0402]  33.39 -34.55 180 top
R79  10K  [R0402]  58.49 -36.13 180 top
R80  1M  [R0402]  61.34 -36.22 180 top
R81  10K  [R0402]  57.5 -37.59 0 top
R82  1K  [R0402]  63.78 -37.63 0 top
R83  1K  [R0402]  66.01 -37.63 0 top
R84  1K  [R0402]  68.24 -37.63 0 top
R85  1K  [R0402]  70.48 -37.63 0 top
R86  0  [R0603]  1.38 -36.88 270 top
R87  0  [R0603]  11.6 -36.88 270 top
R88  0  [R0603]  21.8 -36.88 270 top
R89  0  [R0603]  32.19 -36.88 270 top
R90  100K  [R0402]  57.5 -38.58 0 top
R91  1K  [R0402]  71.8 -39.41 90 top
R92  1K  [R0402]  72.77 -39.41 90 top
R93  DNP  [R0402]  73.21 -38.42 270 top
R94  33  [R0402]  75.68 -39.41 90 top
R95  10K  [R0402]  64.93 -38.59 270 top
R96  33  [R0402]  67.37 -39.58 90 top
R97  1K  [R0402]  62.33 -42.12 180 top
R98  1K  [R0402]  69.38 -43.52 0 top
R99  1K  [R0402]  77.36 -43.52 0 top
R100  1K  [R0402]  62.33 -43.07 180 top
R101  DNP  [R0402]  51.82 -43.04 270 top
R102  2.2K  [R0402]  53.56 -44.03 90 top
R103  1.5K  [R0402]  55.52 -44.03 90 top
R104  1.5K  [R0402]  55.98 -43.04 270 top
R105  1.5K  [R0402]  59.36 -44.03 90 top
R106  1K  [R0402]  59.85 -43.04 270 top
R107  1K  [R0402]  69.38 -44.47 0 top
R108  1K  [R0402]  77.36 -44.47 0 top
R109  15k  [R0402]  49.91 -44.88 90 top
R110  15k  [R0402]  50.4 -43.89 270 top
R111  100  [R0402]  53.06 -45.22 270 top
R112  DNP  [R0402]  54.53 -46.21 90 top
R113  1.5K  [R0402]  50.67 -45.65 180 top
R114  DNP  [R1206]  50.6 -51.61 90 top
R115  0  [R1206]  51.1 -48.39 270 top
R116  0  [R1206]  53.19 -48.39 270 top
R117  0  [R1206]  56.92 -51.61 90 top
R119  0  [R1206]  87.9 35.4 0 top
R120  DNP  [R1206]  63.25 -51.61 90 top
R121  33  [R1206]  63.75 -48.39 270 top
R122  33  [R1206]  65.85 -48.39 270 top
R123  33  [R1206]  67.95 -48.39 270 top
R124  33  [R1206]  70.05 -48.39 270 top
R125  33  [R1206]  89.4 52 0 top
R126  33  [R1206]  89.4 54.1 0 top
R127  33  [R1206]  89.4 56.2 0 top
R128  33  [R1206]  89.4 58.3 0 top
R129  0  [R1206]  7.78 -48.4 270 top
R130  0  [R1206]  15.84 -48.4 270 top
R131  0  [R1206]  25.93 -48.4 270 top
R132  0  [R1206]  33.57 -48.4 270 top
R133  1K  [R0402]  10.17 -53.45 180 top
R134  0  [R0402]  104.4 37.8 270 bottom
R135  DNP  [R0402]  105.4 37.8 270 bottom
R136  1K  [R0402]  35.44 -54.8 0 top
R137  1K  [R0402]  37.46 -55.76 0 top
R138  DNP  [R1206]  44.6 -56.3 180 top
R139  10K  [R0603]  39.94 -59 90 top
R140  1K  [R0402]  99 33.2 90 bottom
R141  0  [R1206]  44.6 -58.4 180 top
R142  49.9  [R0402]  10.25 54.69 180 top
R143  0  [R1206]  44.6 -60.5 180 top
R144  1K  [R0402]  100.2 33.2 90 bottom
R145  1K  [R0402]  99.3 21.79 270 top
R146  10K  [R0402]  39.01 -63.19 90 top
R147  0  [R1206]  44.6 -62.56 180 top
R148  39  [R0603]  13.07 52.27 270 top
R149  0  [R1206]  44.6 -64.61 180 top
R150  1K  [R0402]  98 21.79 270 top
R151  5.1K  [R0402]  39.5 -67.3 90 top
R152  DNP  [R1206]  44.6 -66.67 180 top
R153  10K  [R0402]  97.6 26.8 90 bottom
R154  12K  [R0402]  113.15 45.39 180 top
R156  68K  [R0402]  115.34 45.39 180 top
R157  10K  [R0402]  100.4 25.7 0 bottom
R161  10  [R0603]  13.25 34.16 0 top
R162  51  [R0603]  7.82 38.86 0 top
R166  1K  [R0402]  36.57 -77.05 0 top
R167  100  [R0402]  24.3 -77.16 0 top
R169  100  [R0402]  24.3 -78.14 0 top
R170  0.47  [R3216]  114 12.7 0 bottom
R171  0.47  [R3216]  117.9 12.7 0 bottom
R172  0.47  [R3216]  121.8 12.7 0 bottom
R173  0.47  [R3216]  125.7 12.7 0 bottom
R174  25  [R0402]  29.04 -79.98 0 top
R176  0  [R0402]  112.2 15.6 270 top
R177  100  [R0402]  30.03 -80.45 180 top
R178  0  [R0402]  108.3 11.8 270 bottom
R180  10K  [R0402]  113.9 27 0 bottom
R181  1K  [R0402]  106.3 26.4 0 bottom
R182  10K  [R0402]  116.6 29 270 bottom
R183  1K  [R0402]  103.3 37.8 270 bottom
R184  0  [R0402]  109.8 11.8 270 bottom
R185  33  [R0402]  37.8 -83.2 0 top
R186  1K  [R0402]  106.3 27.6 0 bottom
R187  10K  [R0402]  95.9 44.6 270 bottom
R188  100  [R0402]  32.3 -84.18 0 top